# Altium PCB Nestling_2.1Allx2.PcbDoc (part 1 of 2) (continued)
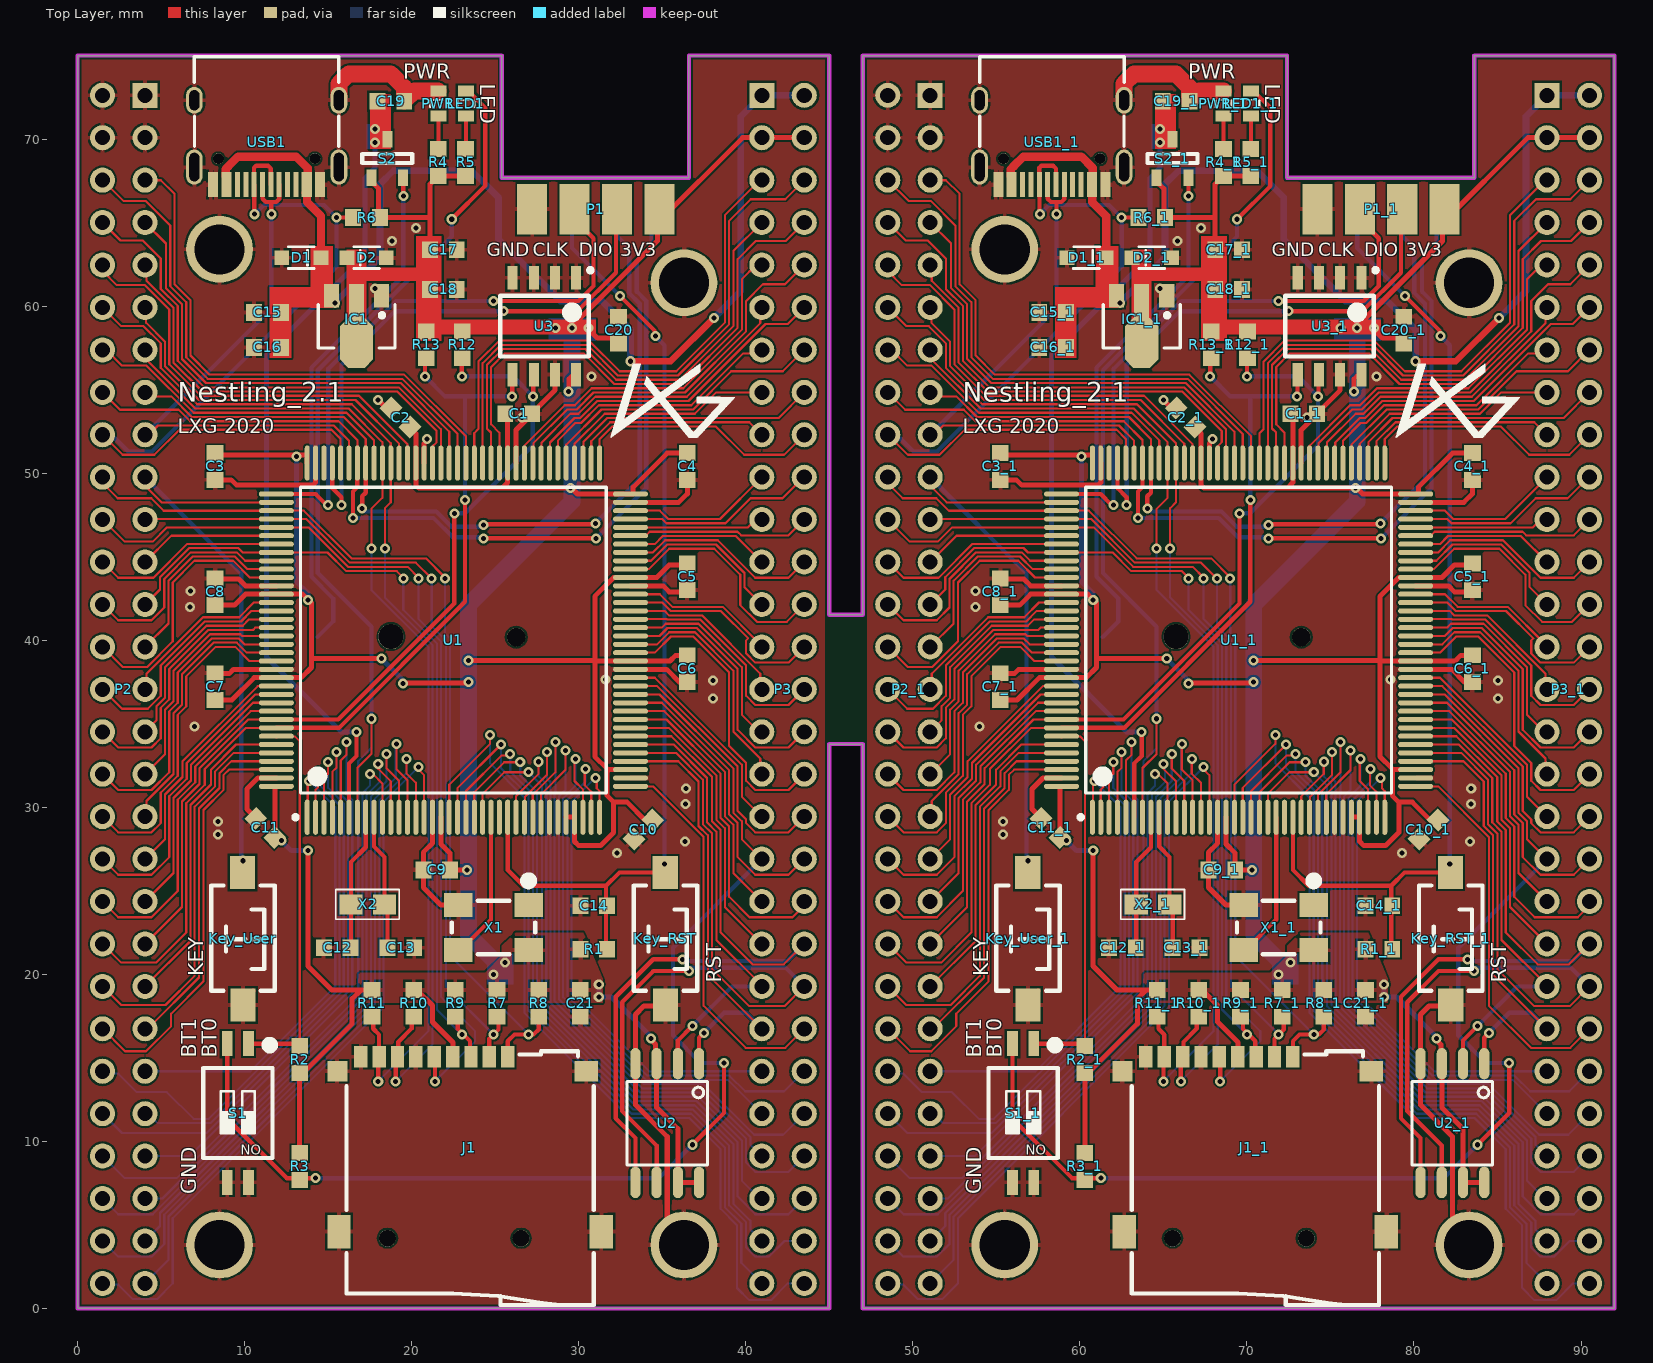
[diagram p0: Top Layer view]
## Nets (pads, with @x,y where several pads share a name; then routed paths per layer and width w, separated by ;. In a path a pad name is that pad's centre, name@x,y a point inside that pad or via, vN(x,y) a via of type N, cw(c..) or ccw(c..) an arc to the next point about the centre after c; other vN are vias at no path point) (continued)
  Bottom Layer w0.3: v1(12.2,28) 12.8,27.4 v1(13.8,27.4) ; v1(13.1,51) 13.1,43.5 13.8,42.8 v1(13.8,42.4) ; v1(18.2,38.9) 19.492,37.608 v1(19.492,37.4) ; v1(31.2,19.4) v1(31.2,18.642) 31.958,18.642 34.335,16.265 v1(34.335,16.15) ; v1(59.2,28) 59.8,27.4 v1(60.8,27.4) ; v1(60.1,51) 60.1,43.5 60.8,42.8 v1(60.8,42.4) ; v1(65.2,38.9) 66.492,37.608 v1(66.492,37.4) ; v1(78.2,19.4) v1(78.2,18.642) 78.958,18.642 81.335,16.265 v1(81.335,16.15)
  Bottom Layer w1: 25.345,20.4 23.4,22.345 v1(23.4,37.5) v1(23.4,38.8) 23.4,42.1 29.6,48.3 v1(29.6,58.7) ; 72.345,20.4 70.4,22.345 v1(70.4,37.5) v1(70.4,38.8) 70.4,42.1 76.6,48.3 v1(76.6,58.7)
  other v1: 24.9,20 71.9,20 25.6,20.7 72.6,20.7 28.6,58.7 30.6,58.7 75.6,58.7 77.6,58.7
5V: C15.1 C15_1.1 C16.1 C16_1.1 D1.2 D1_1.2 IC1.3 IC1_1.3 P3.1 P3.2 P3_1.1 P3_1.2 USB1.A4 USB1.A9 USB1.B4 USB1.B9 USB1_1.A4 USB1_1.A9 USB1_1.B4 USB1_1.B9 | length 129.3
  Top Layer w0.4: v1(33.1,56.7) 35.5,56.7 v1(38.1,59.3) ; v1(80.1,56.7) 82.5,56.7 v1(85.1,59.3)
  Top Layer w0.5: USB1.A9@8.87,67.78 8.87,68.202 9.07,68.402 9.07,68.407 9.613,68.95 13.087,68.95 13.77,68.267 USB1.A4@13.77,67.78 ; USB1.B9@13.67,66.78 13.735,66.715 13.735,66.235 14.575,65.395 D1.2@14.575,62.9 ; USB1_1.A9@55.87,67.78 55.87,68.202 56.07,68.402 56.07,68.407 56.613,68.95 60.087,68.95 60.77,68.267 USB1_1.A4@60.77,67.78 ; USB1_1.B9@60.67,66.78 60.735,66.715 60.735,66.235 61.575,65.395 D1_1.2@61.575,62.9
  Bottom Layer w0.4: v1(15.4,60.2) 18.1,62.9 18.1,67.3 18.9,68.1 23.6,68.1 25.2,66.5 25.2,64.004 28.904,60.3 31.4,60.3 33.1,58.6 v1(33.1,56.7) ; v1(38.1,59.3) 39.7,60.9 39.7,71.36 P3.1@40.96,72.62 P3.2@43.5,72.62 ; v1(62.4,60.2) 65.1,62.9 65.1,67.3 65.9,68.1 70.6,68.1 72.2,66.5 72.2,64.004 75.904,60.3 78.4,60.3 80.1,58.6 v1(80.1,56.7) ; v1(85.1,59.3) 86.7,60.9 86.7,71.36 P3_1.1@87.96,72.62 P3_1.2@90.5,72.62
BOOT0: R2.1 R2_1.1 S1.1 S1_1.1 U1.138 U1_1.138 | length 45.8
  Top Layer w0.127: S1.1@10.235,15.85 S1.1@10.237,15.848 ; U1.138@11.909,34.246 13.005,34.246 13.3,33.951 R2.1@13.3,15.7 ; S1_1.1@57.235,15.85 S1_1.1@57.237,15.848 ; U1_1.138@58.909,34.246 60.005,34.246 60.3,33.951 R2_1.1@60.3,15.7
  Top Layer w0.254: S1.1@10.235,15.85 13.15,15.85 R2.1@13.3,15.7 ; U1.138@11.9,34.255 U1.138@11.909,34.246 ; S1_1.1@57.235,15.85 60.15,15.85 R2_1.1@60.3,15.7 ; U1_1.138@58.9,34.255 U1_1.138@58.909,34.246
BOOT1: P3.37 P3_1.37 R3.1 R3_1.1 S1.2 S1_1.2 U1.48 U1_1.48 | length 142.1
  Top Layer w0.127: U1.48@33.1,36.755 34.836,36.755 39.257,32.333 39.257,29.675 39.765,29.167 39.765,28.095 P3.37@40.96,26.9 ; U1_1.48@80.1,36.755 81.836,36.755 86.258,32.333 86.258,29.675 86.766,29.167 86.766,28.095 P3_1.37@87.96,26.9
  Top Layer w0.254: S1.2@8.965,15.85 8.965,11.357 12.522,7.8 R3.1@13.4,7.8 ; R3.1@13.3,7.7 R3.1@13.4,7.8 ; v1(14.25,7.8) R3.1@13.4,7.8 ; v1(36.8,9.8) 38.7,11.7 v1(38.7,14.7) ; S1_1.2@55.965,15.85 55.965,11.357 59.522,7.8 R3_1.1@60.4,7.8 ; R3_1.1@60.3,7.7 R3_1.1@60.4,7.8 ; v1(61.25,7.8) R3_1.1@60.4,7.8 ; v1(83.8,9.8) 85.7,11.7 v1(85.7,14.7)
  Bottom Layer w0.254: v1(14.25,7.8) 34.8,7.8 v1(36.8,9.8) ; v1(38.7,14.7) 37.3,14.7 35.646,16.354 35.646,21.586 P3.37@40.96,26.9 ; v1(61.25,7.8) 81.8,7.8 v1(83.8,9.8) ; v1(85.7,14.7) 84.3,14.7 82.646,16.354 82.646,21.586 P3_1.37@87.96,26.9
GND: B1.2 B1_1.2 C1.1 C1_1.1 C2.1 C2_1.1 C3.1 C3_1.1 C4.1 C4_1.1 C5.1 C5_1.1 C6.1 C6_1.1 C7.1 C7_1.1 C8.1 C8_1.1 C9.1 C9_1.1 C10.1 C10_1.1 C11.1 C11_1.1 C12.2 C12_1.2 C13.2 C13_1.2 C14.1 C14_1.1 C15.2 C15_1.2 C16.2 C16_1.2 C17.2 C17_1.2 C18.2 C18_1.2 C19.2 C19_1.2 C20.2 C20_1.2 C21.2 C21_1.2 D1.1 D1_1.1 D2.1 D2_1.1 IC1.1 IC1_1.1 J1.6 J1.9 J1.10 J1.11 J1.12 J1.13 J1_1.6 J1_1.9 J1_1.10 J1_1.11 J1_1.12 J1_1.13 Key_RST.2 Key_RST_1.2 Key_User.2 Key_User_1.2 P1.4 P1.8 P1_1.4 P1_1.8 P2.1 P2.2 P2.3 P2.4 P2_1.1 P2_1.2 P2_1.3 P2_1.4 pad.3 PWR.2 PWR_1.2 S1.3 S1.4 S1_1.3 S1_1.4 U1.16 U1.30 U1.31 U1.38 U1.51 U1.61 U1.71 U1.83 U1.94 U1.107 U1.120 U1.130 U1.143 U1_1.16 U1_1.30 U1_1.31 U1_1.38 U1_1.51 U1_1.61 U1_1.71 U1_1.83 U1_1.94 U1_1.107 U1_1.120 U1_1.130 U1_1.143 U2.4 U2_1.4 U3.1 U3.2 U3.3 U3.4 U3.7 U3_1.1 U3_1.2 U3_1.3 U3_1.4 U3_1.7 USB1.1 USB1.2 USB1.3 USB1.4 USB1.A1 USB1.A12 USB1.B1 USB1.B12 USB1_1.1 USB1_1.2 USB1_1.3 USB1_1.4 USB1_1.A1 USB1_1.A12 USB1_1.B1 USB1_1.B12 X1.2 X1_1.2 | length 146.1
  Top Layer w0.3: C7.1@8.23,38.02 8.25,38.001 9.08,38.001 9.335,38.255 U1.130@11.9,38.255 ; C8.1@8.23,43.7 8.261,43.669 9.642,43.669 10.056,43.255 U1.120@11.9,43.255 ; C3.1@8.23,49.6 9.2,49.6 9.522,49.278 14.074,49.278 14.25,49.454 U1.107@14.25,50.605 ; Key_User.2@9.9,18.163 9.9,18.413 Key_User.2@10.5,19.013 ; C11.1@10.669,29.331 10.686,29.349 10.136,29.899 10.136,31.1 10.791,31.755 U1.143@11.9,31.755 ; C12.2@14.668,21.51 C12.2@14.743,21.585 ; v1(17.994,54.378) 18.474,53.898 C2.1@18.769,53.898 ; U1.94@20.75,50.605 20.75,51.789 20.929,51.969 v1(20.929,52.05) ; U1.16@21.25,29.405 21.25,27.85 20.7,27.3 C9.1@20.7,26.25 20.7,25.2 21.75,24.15 X1.2@22.8,24.15 ; U1.83@26.25,50.605 26.25,52.585 27.2,53.535 C1.1@27.2,53.56 27.2,53.585 28.582,54.967 U3.7@28.582,55.901 ; U1.51@33.1,38.255 35.262,38.255 36.017,37.5 C6.1@36.5,37.5 ; U1.61@33.1,43.255 35.062,43.255 35.417,42.9 36.4,42.9 C5.1@36.5,43 ; U1.71@33.1,48.255 35.987,48.255 36.5,48.768 C4.1@36.5,49.6 ; Key_RST.2@35.2,18.163 35.137,18.1 33.9,18.1 33.395,17.595 U2.4@33.395,14.656 33.395,12.185 35.3,10.28 35.3,4.022 pad.3@35.522,3.8 ; C7_1.1@55.23,38.02 55.25,38.001 56.08,38.001 56.335,38.255 U1_1.130@58.9,38.255 ; C8_1.1@55.23,43.7 55.261,43.669 56.642,43.669 57.056,43.255 U1_1.120@58.9,43.255 ; C3_1.1@55.23,49.6 56.2,49.6 56.522,49.278 61.074,49.278 61.25,49.454 U1_1.107@61.25,50.605 ; Key_User_1.2@56.9,18.163 56.9,18.413 Key_User_1.2@57.5,19.013 ; C11_1.1@57.669,29.331 57.686,29.349 57.136,29.899 57.136,31.1 57.791,31.755 U1_1.143@58.9,31.755 ; C12_1.2@61.668,21.51 C12_1.2@61.743,21.585 ; v1(64.994,54.378) 65.474,53.898 C2_1.1@65.769,53.898 ; U1_1.94@67.75,50.605 67.75,51.789 67.929,51.969 v1(67.929,52.05) ; U1_1.16@68.25,29.405 68.25,27.85 67.7,27.3 C9_1.1@67.7,26.25 67.7,25.2 68.75,24.15 X1_1.2@69.8,24.15 ; U1_1.83@73.25,50.605 73.25,52.585 74.2,53.535 C1_1.1@74.2,53.56 74.2,53.585 75.582,54.967 U3_1.7@75.582,55.901 ; U1_1.51@80.1,38.255 82.262,38.255 83.017,37.5 C6_1.1@83.5,37.5 ; U1_1.61@80.1,43.255 82.062,43.255 82.417,42.9 83.4,42.9 C5_1.1@83.5,43 ; U1_1.71@80.1,48.255 82.987,48.255 83.5,48.768 C4_1.1@83.5,49.6 ; Key_RST_1.2@82.2,18.163 82.137,18.1 80.9,18.1 80.395,17.595 U2_1.4@80.395,14.656 80.395,12.185 82.3,10.28 82.3,4.022 pad.3@82.522,3.8
  Top Layer w1: USB1.2@15.645,72.32 15.645,73.314 16.231,73.9 18.756,73.9 19.558,73.098 C19.2@19.558,72.271 20.161,72.874 PWR.2@21.6,72.874 ; USB1_1.2@62.645,72.32 62.645,73.314 63.231,73.9 65.756,73.9 66.558,73.098 C19_1.2@66.558,72.271 67.161,72.874 PWR_1.2@68.6,72.874
  other v1: 32.296,27.25 79.296,27.25 36.365,27.95 83.365,27.95 8.4,28.362 55.4,28.362 8.4,29.152 55.4,29.152 36.4,30.206 83.4,30.206 36.427,31.138 83.427,31.138 7,34.828 54,34.828 38.034,36.5 85.034,36.5 38.034,37.6 85.034,37.6 31.6,37.647 78.6,37.647 6.741,41.981 53.741,41.981 6.759,42.955 53.759,42.955 26.598,53.332 73.598,53.332 30.767,55.774 77.767,55.774 17.8,61.051 64.8,61.051 18.835,63.9 65.835,63.9 20.254,64.673 67.254,64.673
"I2C1 SCL PB6": P2.41 P2_1.41 R12.1 R12_1.1 U1.136 U1_1.136 U3.6 U3_1.6 | length 106.2
  Top Layer w0.127: P2.41@4.04,21.82 6.251,24.031 6.251,30.346 7.3,31.395 7.3,32.334 10.221,35.255 U1.136@11.9,35.255 ; P2_1.41@51.04,21.82 53.251,24.031 53.251,30.346 54.3,31.395 54.3,32.334 57.221,35.255 U1_1.136@58.9,35.255
  Top Layer w0.254: U1.136@11.9,35.255 15.605,35.255 22.554,42.204 v1(22.554,47.6) ; v1(23,55.8) 23,56.848 R12.1@23.028,56.876 ; v1(27.254,54.6) 27.283,54.629 27.283,55.872 U3.6@27.312,55.901 ; U1_1.136@58.9,35.255 62.605,35.255 69.554,42.204 v1(69.554,47.6) ; v1(70,55.8) 70,56.848 R12_1.1@70.028,56.876 ; v1(74.254,54.6) 74.283,54.629 74.283,55.872 U3_1.6@74.312,55.901
  Bottom Layer w0.254: v1(22.554,47.6) 23.183,47.6 27.254,51.671 v1(27.254,54.6) 26.054,55.8 v1(23,55.8) ; v1(69.554,47.6) 70.183,47.6 74.254,51.671 v1(74.254,54.6) 73.054,55.8 v1(70,55.8)
"I2C1 SDA PB7": P2.42 P2_1.42 R13.1 R13_1.1 U1.137 U1_1.137 U3.5 U3_1.5 | length 113.2
  Top Layer w0.127: P2.42@1.5,21.82 2.62,20.7 4.7,20.7 6.505,22.505 6.505,30.241 7.615,31.351 7.615,32.289 10.081,34.755 U1.137@11.9,34.755 ; P2_1.42@48.5,21.82 49.62,20.7 51.7,20.7 53.505,22.505 53.505,30.241 54.615,31.351 54.615,32.289 57.081,34.755 U1_1.137@58.9,34.755
  Top Layer w0.254: U1.137@11.9,34.755 15.655,34.755 23.2,42.3 v1(23.2,48.4) ; v1(20.8,55.8) 20.8,56.807 R13.1@20.869,56.876 ; v1(26,54.6) 26.021,54.621 26.021,55.88 U3.5@26.042,55.901 ; U1_1.137@58.9,34.755 62.655,34.755 70.2,42.3 v1(70.2,48.4) ; v1(67.8,55.8) 67.8,56.807 R13_1.1@67.869,56.876 ; v1(73,54.6) 73.021,54.621 73.021,55.88 U3_1.5@73.042,55.901
  Bottom Layer w0.254: v1(20.8,55.8) 22,54.6 23.2,54.6 ; v1(23.2,48.4) 23.2,54.6 ; v1(26,54.6) 23.2,54.6 ; v1(67.8,55.8) 69,54.6 70.2,54.6 ; v1(70.2,48.4) 70.2,54.6 ; v1(73,54.6) 70.2,54.6
"KEY PA15": Key_User.1 Key_User_1.1 P2.19 P2_1.19 U1.110 U1_1.110 | length 68.4
  Top Layer w0.127: P2.19@4.04,49.76 4.04,49.241 5.025,48.255 U1.110@11.9,48.255 ; P2_1.19@51.04,49.76 51.04,49.241 52.026,48.255 U1_1.110@58.9,48.255
  Top Layer w0.254: U1.110@11.891,48.264 U1.110@11.9,48.255 ; U1_1.110@58.891,48.264 U1_1.110@58.9,48.255
  Bottom Layer w0.254: P2.19@4.04,49.76 9.8,44 9.8,26.9 v1(9.9,26.8) ; P2_1.19@51.04,49.76 56.8,44 56.8,26.9 v1(56.9,26.8)
"LED PC13": LED1.2 LED1_1.2 P2.52 P2_1.52 U1.7 U1_1.7 | length 174.7
  Top Layer w0.127: U1.7@16.75,29.405 16.75,32.35 17.592,33.192 v1(17.592,35.3) ; U1_1.7@63.75,29.405 63.75,32.35 64.592,33.192 v1(64.592,35.3)
  Top Layer w0.254: v1(22.4,65.2) 24.4,67.2 24.4,71.874 23.4,72.874 LED1.2@23.25,72.874 LED1.2@23.1,72.874 ; v1(69.4,65.2) 71.4,67.2 71.4,71.874 70.4,72.874 LED1_1.2@70.25,72.874 LED1_1.2@70.1,72.874
  Bottom Layer w0.127: P2.52@1.5,9.12 2.82,7.8 5.945,7.8 16.8,18.655 16.8,32.754 17.592,33.546 v1(17.592,35.3) ; P2_1.52@48.5,9.12 49.82,7.8 52.945,7.8 63.8,18.655 63.8,32.754 64.592,33.546 v1(64.592,35.3)
  Bottom Layer w0.254: v1(17.592,35.3) 17.592,40.808 14.381,44.019 14.381,56.159 22.4,64.178 v1(22.4,65.2) ; v1(64.592,35.3) 64.592,40.808 61.381,44.019 61.381,56.159 69.4,64.178 v1(69.4,65.2)
NetB1_1: B1.1 B1_1.1 S2.2 S2_1.2 | length 61.4
  Top Layer w0.254: S2.2@19.492,67.684 19.496,67.68 19.496,66.604 v1(19.5,66.6) ; S2_1.2@66.492,67.684 66.496,67.68 66.496,66.604 v1(66.5,66.6)
  Bottom Layer w0.254: B1.1@14.368,40.19 15.3,41.122 15.3,42.5 14,43.8 14,56.316 19.5,61.816 v1(19.5,66.6) ; B1_1.1@61.368,40.19 62.3,41.122 62.3,42.5 61,43.8 61,56.316 66.5,61.816 v1(66.5,66.6)
NetLED1_1: LED1.1 LED1_1.1 R5.1 R5_1.1 | length 4
  Top Layer w0.254: R5.1@23.225,69.4 23.25,69.425 LED1.1@23.25,71.374 ; R5_1.1@70.225,69.4 70.25,69.425 LED1_1.1@70.25,71.374
NetPWR_1: PWR.1 PWR_1.1 R4.1 R4_1.1 | length 3.9
  Top Layer w0.254: R4.1@21.6,69.4 PWR.1@21.6,71.374 ; R4_1.1@68.6,69.4 PWR_1.1@68.6,71.374
NRST: C14.2 C14_1.2 Key_RST.1 Key_RST_1.1 P1.7 P1_1.7 R1.2 R1_1.2 U1.25 U1_1.25 | length 118.4
  Top Layer w0.254: U1.25@25.75,29.405 25.75,26.25 26.7,25.3 31.639,25.3 ; R1.2@31.664,21.485 31.639,21.51 31.639,25.3 ; v1(32.466,60.616) 34.534,58.548 34.534,58.266 v1(34.6,58.2) ; v1(35.141,26.6) 35.141,26.142 35.137,26.139 Key_RST.1@35.176,26.1 ; Key_RST.1@35.18,26.096 Key_RST.1@35.176,26.1 ; U1_1.25@72.75,29.405 72.75,26.25 73.7,25.3 78.639,25.3 ; R1_1.2@78.664,21.485 78.639,21.51 78.639,25.3 ; v1(79.466,60.616) 81.534,58.548 81.534,58.266 v1(81.6,58.2) ; v1(82.141,26.6) 82.141,26.142 82.137,26.139 Key_RST_1.1@82.176,26.1 ; Key_RST_1.1@82.18,26.096 Key_RST_1.1@82.176,26.1 ; 31.639,25.3 32.439,26.1 Key_RST.1@35.176,26.1 ; 78.639,25.3 79.439,26.1 Key_RST_1.1@82.176,26.1
  Bottom Layer w0.254: P1.7@29.756,65.8 29.6,65.644 29.6,63.482 v1(32.466,60.616) ; v1(34.6,58.2) 35.141,57.659 35.141,27.359 v1(35.141,26.6) ; P1_1.7@76.756,65.8 76.6,65.644 76.6,63.482 v1(79.466,60.616) ; v1(81.6,58.2) 82.141,57.659 82.141,27.359 v1(82.141,26.6)
"OS 8M IN": U1.23 U1_1.23 X1.3 X1_1.3 | length 17.7
  Top Layer w0.254: X1.3@22.8,21.45 22.925,21.45 24.75,23.275 U1.23@24.75,29.405 ; X1_1.3@69.8,21.45 69.925,21.45 71.75,23.275 U1_1.23@71.75,29.405
"OS 32K IN": C12.1 C12_1.1 U1.8 U1_1.8 X2.2 X2_1.2 | length 16.4
  Top Layer w0.254: C12.1@16.343,21.585 16.372,21.614 X2.2@16.372,24.193 16.372,26.727 17.25,27.605 U1.8@17.25,29.405 ; C12_1.1@63.343,21.585 63.372,21.614 X2_1.2@63.372,24.193 63.372,26.727 64.25,27.605 U1_1.8@64.25,29.405
"OS 32K OUT": C13.1 C13_1.1 U1.9 U1_1.9 X2.1 X2_1.1 | length 16.3
  Top Layer w0.254: U1.9@17.75,29.405 17.75,27.65 18.372,27.028 X2.1@18.372,24.193 18.553,24.012 C13.1@18.553,21.585 ; U1_1.9@64.75,29.405 64.75,27.65 65.372,27.028 X2_1.1@65.372,24.193 65.553,24.012 C13_1.1@65.553,21.585
PA0: P3.49 P3_1.49 U1.34 U1_1.34 | length 69.5
  Top Layer w0.127: v1(29.8,32.9) 29.75,32.85 29.75,31.572 30.25,31.072 U1.34@30.25,29.405 ; v1(76.8,32.9) 76.75,32.85 76.75,31.572 77.25,31.072 U1_1.34@77.25,29.405
  Bottom Layer w0.127: v1(29.8,32.9) 29.8,31.281 29.07,30.551 29.07,18.619 34.003,13.686 38.914,13.686 P3.49@40.95,11.65 ; P3.49@40.96,11.66 P3.49@40.95,11.65 ; v1(76.8,32.9) 76.8,31.281 76.07,30.551 76.07,18.619 81.003,13.686 85.914,13.686 P3_1.49@87.95,11.65 ; P3_1.49@87.96,11.66 P3_1.49@87.95,11.65 ; P3.49@40.781,11.481 41.076,11.186 40.486,11.186 P3.49@40.781,11.481 ; P3.49@40.781,11.481 P3.49@40.95,11.65 ; P3_1.49@87.781,11.481 88.076,11.186 87.486,11.186 P3_1.49@87.781,11.481 ; P3_1.49@87.781,11.481 P3_1.49@87.95,11.65
PA1: P3.48 P3_1.48 U1.35 U1_1.35 | length 68.3
  Top Layer w0.127: v1(30.4,32.3) 30.362,32.262 30.362,31.319 30.75,30.931 U1.35@30.75,29.405 ; v1(77.4,32.3) 77.362,32.262 77.362,31.319 77.75,30.931 U1_1.35@77.75,29.405
  Bottom Layer w0.127: v1(30.4,32.3) 30.4,31.522 29.324,30.446 29.324,18.725 34.109,13.94 39.019,13.94 39.959,13 42.3,13 P3.48@43.5,14.2 ; v1(77.4,32.3) 77.4,31.522 76.324,30.446 76.324,18.725 81.109,13.94 86.019,13.94 86.959,13 89.3,13 P3_1.48@90.5,14.2
PA2: P3.47 P3_1.47 U1.36 U1_1.36 | length 58.6
  Top Layer w0.127: v1(31,31.763) 31.082,31.681 31.082,31.138 31.25,30.97 U1.36@31.25,29.405 ; v1(78,31.763) 78.082,31.681 78.082,31.138 78.25,30.97 U1_1.36@78.25,29.405
  Bottom Layer w0.127: v1(31,31.763) 29.578,30.341 29.578,18.83 34.214,14.194 36.205,14.194 36.211,14.2 P3.47@40.96,14.2 ; v1(78,31.763) 76.578,30.341 76.578,18.83 81.214,14.194 83.205,14.194 83.211,14.2 P3_1.47@87.96,14.2
PA3: P3.46 P3_1.46 U1.37 U1_1.37 | length 46.5
  Top Layer w0.127: U1.37@33.1,31.255 34.445,31.255 37.479,28.221 37.479,18.12 40,15.6 42.36,15.6 P3.46@43.5,16.74 ; U1_1.37@80.1,31.255 81.445,31.255 84.48,28.221 84.48,18.12 87,15.6 89.36,15.6 P3_1.46@90.5,16.74
PA4: P3.45 P3_1.45 U1.40 U1_1.40 U2.1 U2_1.1 | length 54.5
  Top Layer w0.127: U1.40@33.1,32.755 35.962,32.755 37.175,31.542 37.175,28.884 37.733,28.326 37.733,19.967 P3.45@40.96,16.74 ; U1_1.40@80.1,32.755 82.962,32.755 84.175,31.542 84.175,28.884 84.734,28.326 84.734,19.967 P3_1.45@87.96,16.74
  Top Layer w0.254: U2.1@37.205,14.656 37.205,16.205 v1(37.5,16.5) ; U2_1.1@84.205,14.656 84.205,16.205 v1(84.5,16.5)
  Bottom Layer w0.254: v1(37.5,16.5) 38.7,17.7 40,17.7 P3.45@40.96,16.74 ; v1(84.5,16.5) 85.7,17.7 87,17.7 P3_1.45@87.96,16.74
PA5: P3.44 P3_1.44 U1.41 U1_1.41 U2.6 U2_1.6 | length 95.2
  Top Layer w0.127: U1.41@33.1,33.255 35.821,33.255 37.429,31.647 37.429,28.989 37.987,28.431 37.987,20.313 40.2,18.1 42.32,18.1 P3.44@43.5,19.28 ; U1_1.41@80.1,33.255 82.821,33.255 84.429,31.647 84.429,28.989 84.988,28.431 84.988,20.313 87.2,18.1 89.32,18.1 P3_1.44@90.5,19.28
  Top Layer w0.254: U2.6@34.665,7.544 34.665,9.755 32.6,11.82 32.6,18.332 34.468,20.2 v1(36.6,20.2) ; U2_1.6@81.665,7.544 81.665,9.755 79.6,11.82 79.6,18.332 81.468,20.2 v1(83.6,20.2)
  Bottom Layer w0.254: v1(36.6,20.2) 36.562,20.2 36.478,20.284 36.594,20.4 42.38,20.4 P3.44@43.5,19.28 ; v1(83.6,20.2) 83.562,20.2 83.478,20.284 83.594,20.4 89.38,20.4 P3_1.44@90.5,19.28
PA6: P3.43 P3_1.43 U1.42 U1_1.42 U2.2 U2_1.2 | length 54
  Top Layer w0.127: U1.42@33.1,33.755 35.68,33.755 37.683,31.752 37.683,29.095 38.241,28.536 38.241,22.059 40.96,19.34 P3.43@40.96,19.28 ; U1_1.42@80.1,33.755 82.68,33.755 84.683,31.752 84.683,29.095 85.242,28.536 85.242,22.059 87.96,19.34 P3_1.43@87.96,19.28
  Top Layer w0.254: U2.2@35.935,14.656 35.935,16.035 v1(36.8,16.9) ; U2_1.2@82.935,14.656 82.935,16.035 v1(83.8,16.9)
  Bottom Layer w0.254: v1(36.8,16.9) 39.18,19.28 P3.43@40.96,19.28 ; v1(83.8,16.9) 86.18,19.28 P3_1.43@87.96,19.28
PA7: P3.42 P3_1.42 U1.43 U1_1.43 U2.5 U2_1.5 | length 92
  Top Layer w0.127: U1.43@33.1,34.255 35.54,34.255 37.983,31.811 37.983,29.153 38.495,28.641 38.495,22.505 40.4,20.6 42.28,20.6 P3.42@43.5,21.82 ; U1_1.43@80.1,34.255 82.54,34.255 84.983,31.811 84.983,29.153 85.496,28.641 85.496,22.505 87.4,20.6 89.28,20.6 P3_1.42@90.5,21.82
  Top Layer w0.254: U2.5@33.395,7.544 33.395,10.205 32.219,11.381 32.219,18.658 34.461,20.9 v1(36.2,20.9) ; U2_1.5@80.395,7.544 80.395,10.205 79.219,11.381 79.219,18.658 81.461,20.9 v1(83.2,20.9)
  Bottom Layer w0.254: v1(36.2,20.9) 36.3,20.8 42.48,20.8 P3.42@43.5,21.82 ; v1(83.2,20.9) 83.3,20.8 89.48,20.8 P3_1.42@90.5,21.82
PA8: P2.14 P2_1.14 U1.100 U1_1.100 | length 39.7
  Top Layer w0.127: P2.14@1.5,57.38 1.72,57.38 2.661,56.439 4.128,56.439 6.951,53.616 16.099,53.616 17.75,51.965 U1.100@17.75,50.605 ; P2_1.14@48.5,57.38 48.72,57.38 49.661,56.439 51.128,56.439 53.951,53.616 63.099,53.616 64.75,51.965 U1_1.100@64.75,50.605
PA9: P1.6 P1_1.6 P2.15 P2_1.15 U1.101 U1_1.101 | length 107.1
  Top Layer w0.127: P2.15@4.04,54.84 4.28,54.6 5.608,54.6 6.846,53.362 15.938,53.362 17.25,52.05 U1.101@17.25,50.605 ; P2_1.15@51.04,54.84 51.28,54.6 52.608,54.6 53.846,53.362 62.938,53.362 64.25,52.05 U1_1.101@64.25,50.605
  Top Layer w0.254: v1(17.037,47.9) 17.037,48.618 17.25,48.831 U1.101@17.25,50.605 ; v1(24.3,46.9) 24.35,46.95 30.95,46.95 v1(31,47) ; v1(64.037,47.9) 64.037,48.618 64.25,48.831 U1_1.101@64.25,50.605 ; v1(71.3,46.9) 71.35,46.95 77.95,46.95 v1(78,47)
  Bottom Layer w0.254: v1(17.037,47.9) 17.237,47.7 21.471,47.7 22.371,46.8 24.2,46.8 v1(24.3,46.9) ; v1(31,47) 33.654,49.654 33.654,60.146 33.02,60.78 33.02,63.482 33.014,63.482 32.296,64.2 P1.6@32.296,65.8 ; v1(64.037,47.9) 64.237,47.7 68.471,47.7 69.371,46.8 71.2,46.8 v1(71.3,46.9) ; v1(78,47) 80.654,49.654 80.654,60.146 80.02,60.78 80.02,63.482 80.014,63.482 79.296,64.2 P1_1.6@79.296,65.8
PA10: P1.5 P1_1.5 P2.16 P2_1.16 U1.102 U1_1.102 | length 116
  Top Layer w0.127: P2.16@1.5,54.84 2.54,53.8 6.049,53.8 6.741,53.108 15.627,53.108 16.75,51.985 U1.102@16.75,50.605 ; P2_1.16@48.5,54.84 49.54,53.8 53.049,53.8 53.741,53.108 62.627,53.108 63.75,51.985 U1_1.102@63.75,50.605
  Top Layer w0.254: v1(16.483,47.317) 16.483,48.907 16.75,49.174 U1.102@16.75,50.605 ; v1(24.3,46.1) v1(31.039,46.1) ; v1(63.483,47.317) 63.483,48.907 63.75,49.174 U1_1.102@63.75,50.605 ; v1(71.3,46.1) v1(78.039,46.1)
  Bottom Layer w0.254: v1(16.483,47.317) 21.315,47.317 22.466,46.166 24.234,46.166 v1(24.3,46.1) ; v1(31.039,46.1) 34.046,49.107 34.046,60.3 33.481,60.865 33.481,62.727 34.358,63.604 34.358,65.322 P1.5@34.836,65.8 ; v1(63.483,47.317) 68.315,47.317 69.466,46.166 71.234,46.166 v1(71.3,46.1) ; v1(78.039,46.1) 81.046,49.107 81.046,60.3 80.481,60.865 80.481,62.727 81.358,63.604 81.358,65.322 P1_1.5@81.836,65.8
PA11: P2.17 P2_1.17 U1.103 U1_1.103 USB1.A7 USB1.B7 USB1_1.A7 USB1_1.B7 | length 68.2
  Top Layer w0.127: P2.17@4.04,52.3 4.262,52.3 4.816,52.854 15.346,52.854 16.25,51.95 U1.103@16.25,50.605 ; P2_1.17@51.04,52.3 51.262,52.3 51.816,52.854 62.346,52.854 63.25,51.95 U1_1.103@63.25,50.605
  Top Layer w0.254: USB1.A7@11.07,67.28 11.07,66.43 11.265,66.235 11.57,66.235 ; v1(11.6,65.5) 11.6,66.205 11.57,66.235 ; USB1.B7@12.07,67.28 12.07,66.414 11.891,66.235 11.57,66.235 ; USB1_1.A7@58.07,67.28 58.07,66.43 58.265,66.235 58.57,66.235 ; v1(58.6,65.5) 58.6,66.205 58.57,66.235 ; USB1_1.B7@59.07,67.28 59.07,66.414 58.891,66.235 58.57,66.235
  Bottom Layer w0.254: P2.17@4.04,52.3 11.6,59.86 v1(11.6,65.5) ; P2_1.17@51.04,52.3 58.6,59.86 v1(58.6,65.5)
PA12: P2.18 P2_1.18 R6.2 R6_1.2 U1.104 U1_1.104 USB1.A6 USB1.B6 USB1_1.A6 USB1_1.B6 | length 100.6
  Top Layer w0.127: P2.18@1.5,52.3 2.7,51.1 4.6,51.1 6.1,52.6 15.2,52.6 15.75,52.05 U1.104@15.75,50.605 ; P2_1.18@48.5,52.3 49.7,51.1 51.6,51.1 53.1,52.6 62.2,52.6 62.75,52.05 U1_1.104@62.75,50.605
  Top Layer w0.254: v1(10.6,65.5) 10.585,65.515 10.585,67.265 USB1.B6@10.57,67.28 10.57,68.277 10.693,68.4 11.4,68.4 11.57,68.23 USB1.A6@11.57,67.28 ; v1(15.5,65.3) R6.2@16.5,65.3 ; v1(57.6,65.5) 57.585,65.515 57.585,67.265 USB1_1.B6@57.57,67.28 57.57,68.277 57.693,68.4 58.4,68.4 58.57,68.23 USB1_1.A6@58.57,67.28 ; v1(62.5,65.3) R6_1.2@63.5,65.3
  Bottom Layer w0.254: P2.18@1.5,52.3 1.738,52.062 2.27,52.062 3.036,51.296 4.456,51.296 15.5,62.34 v1(15.5,65.3) 14.746,66.054 11.154,66.054 v1(10.6,65.5) ; P2_1.18@48.5,52.3 48.738,52.062 49.27,52.062 50.036,51.296 51.456,51.296 62.5,62.34 v1(62.5,65.3) 61.746,66.054 58.154,66.054 v1(57.6,65.5)
PB0: P3.39 P3_1.39 U1.46 U1_1.46 | length 31.7
  Top Layer w0.127: U1.46@33.1,35.755 35.117,35.755 38.749,32.123 38.749,29.465 39.257,28.957 39.257,26.063 P3.39@40.96,24.36 ; U1_1.46@80.1,35.755 82.117,35.755 85.75,32.123 85.75,29.465 86.258,28.957 86.258,26.063 P3_1.39@87.96,24.36
PB1: P3.38 P3_1.38 U1.47 U1_1.47 | length 35.6
  Top Layer w0.127: U1.47@33.1,36.255 34.976,36.255 39.003,32.228 39.003,29.57 39.511,29.062 39.511,27.018 40.57,25.959 42.559,25.959 P3.38@43.5,26.9 ; U1_1.47@80.1,36.255 81.976,36.255 86.004,32.228 86.004,29.57 86.512,29.062 86.512,27.018 87.57,25.959 89.56,25.959 P3_1.38@90.5,26.9
PB3: P2.38 P2_1.38 U1.133 U1_1.133 | length 35.9
  Top Layer w0.127: P2.38@1.5,26.9 2.441,25.959 4.43,25.959 5.489,27.018 5.489,30.662 6.538,31.711 6.538,32.649 10.644,36.755 U1.133@11.9,36.755 ; P2_1.38@48.5,26.9 49.441,25.959 51.43,25.959 52.489,27.018 52.489,30.662 53.538,31.711 53.538,32.649 57.644,36.755 U1_1.133@58.9,36.755
PB4: P2.39 P2_1.39 U1.134 U1_1.134 | length 31.9
  Top Layer w0.127: P2.39@4.04,24.36 5.743,26.063 5.743,30.556 6.792,31.606 6.792,32.544 10.503,36.255 U1.134@11.9,36.255 ; P2_1.39@51.04,24.36 52.743,26.063 52.743,30.556 53.792,31.606 53.792,32.544 57.503,36.255 U1_1.134@58.9,36.255
PB5: P2.40 P2_1.40 U1.135 U1_1.135 | length 39.3
  Top Layer w0.127: P2.40@1.5,24.36 2.441,23.419 4.43,23.419 5.997,24.986 5.997,30.451 7.046,31.501 7.046,32.439 10.362,35.755 U1.135@11.9,35.755 ; P2_1.40@48.5,24.36 49.441,23.419 51.43,23.419 52.997,24.986 52.997,30.451 54.046,31.501 54.046,32.439 57.362,35.755 U1_1.135@58.9,35.755
PB8: P2.43 P2_1.43 U1.139 U1_1.139 | length 38.3
  Top Layer w0.127: P2.43@4.04,19.28 6.759,21.999 6.759,30.136 7.986,31.363 7.986,32.253 9.487,33.755 U1.139@11.9,33.755 ; P2_1.43@51.04,19.28 53.759,21.999 53.759,30.136 54.986,31.363 54.986,32.253 56.487,33.755 U1_1.139@58.9,33.755
PB9: P2.44 P2_1.44 U1.140 U1_1.140 | length 47.1
  Top Layer w0.127: P2.44@1.5,19.28 2.617,18.163 5.263,18.163 7.013,19.913 7.013,30.03 8.24,31.257 8.24,32.148 9.347,33.255 U1.140@11.9,33.255 ; P2_1.44@48.5,19.28 49.617,18.163 52.263,18.163 54.013,19.913 54.013,30.03 55.24,31.257 55.24,32.148 56.347,33.255 U1_1.140@58.9,33.255
PB10: P3.20 P3_1.20 U1.69 U1_1.69 | length 23.3
  Top Layer w0.127: U1.69@33.1,47.255 34.994,47.255 35.248,47.001 38.787,47.001 40.286,48.5 42.2,48.5 43.46,49.76 P3.20@43.5,49.76 ; U1_1.69@80.1,47.255 81.994,47.255 82.248,47.001 85.787,47.001 87.286,48.5 89.2,48.5 90.46,49.76 P3_1.20@90.5,49.76
PB11: P3.19 P3_1.19 U1.70 U1_1.70 | length 18.2
  Top Layer w0.127: U1.70@33.1,47.755 34.853,47.755 35.353,47.255 38.455,47.255 P3.19@40.96,49.76 ; U1_1.70@80.1,47.755 81.853,47.755 82.353,47.255 85.455,47.255 P3_1.19@87.96,49.76
PB12: P3.18 P3_1.18 U1.73 U1_1.73 | length 30.4
  Top Layer w0.127: U1.73@31.25,50.605 31.25,52.05 31.998,52.798 38.202,52.798 39.9,51.1 42.3,51.1 P3.18@43.5,52.3 ; U1_1.73@78.25,50.605 78.25,52.05 78.998,52.798 85.202,52.798 86.9,51.1 89.3,51.1 P3_1.18@90.5,52.3
PB13: P3.17 P3_1.17 U1.74 U1_1.74 | length 24.6
  Top Layer w0.127: U1.74@30.75,50.605 30.75,51.913 31.889,53.052 40.208,53.052 P3.17@40.96,52.3 ; U1_1.74@77.75,50.605 77.75,51.913 78.889,53.052 87.208,53.052 P3_1.17@87.96,52.3
PB14: P3.16 P3_1.16 U1.75 U1_1.75 | length 31.5
  Top Layer w0.127: U1.75@30.25,50.605 30.283,50.638 30.283,51.873 31.716,53.306 41.966,53.306 P3.16@43.5,54.84 ; U1_1.75@77.25,50.605 77.283,50.638 77.283,51.873 78.716,53.306 88.966,53.306 P3_1.16@90.5,54.84
PB15: P3.15 P3_1.15 U1.76 U1_1.76 | length 27.3
  Top Layer w0.127: U1.76@29.75,50.605 29.75,51.758 31.552,53.56 36.952,53.56 38.232,54.84 P3.15@40.96,54.84 ; U1_1.76@76.75,50.605 76.75,51.758 78.552,53.56 83.952,53.56 85.232,54.84 P3_1.15@87.96,54.84